# Allegro board BeagleBone-AI.brd (continued)
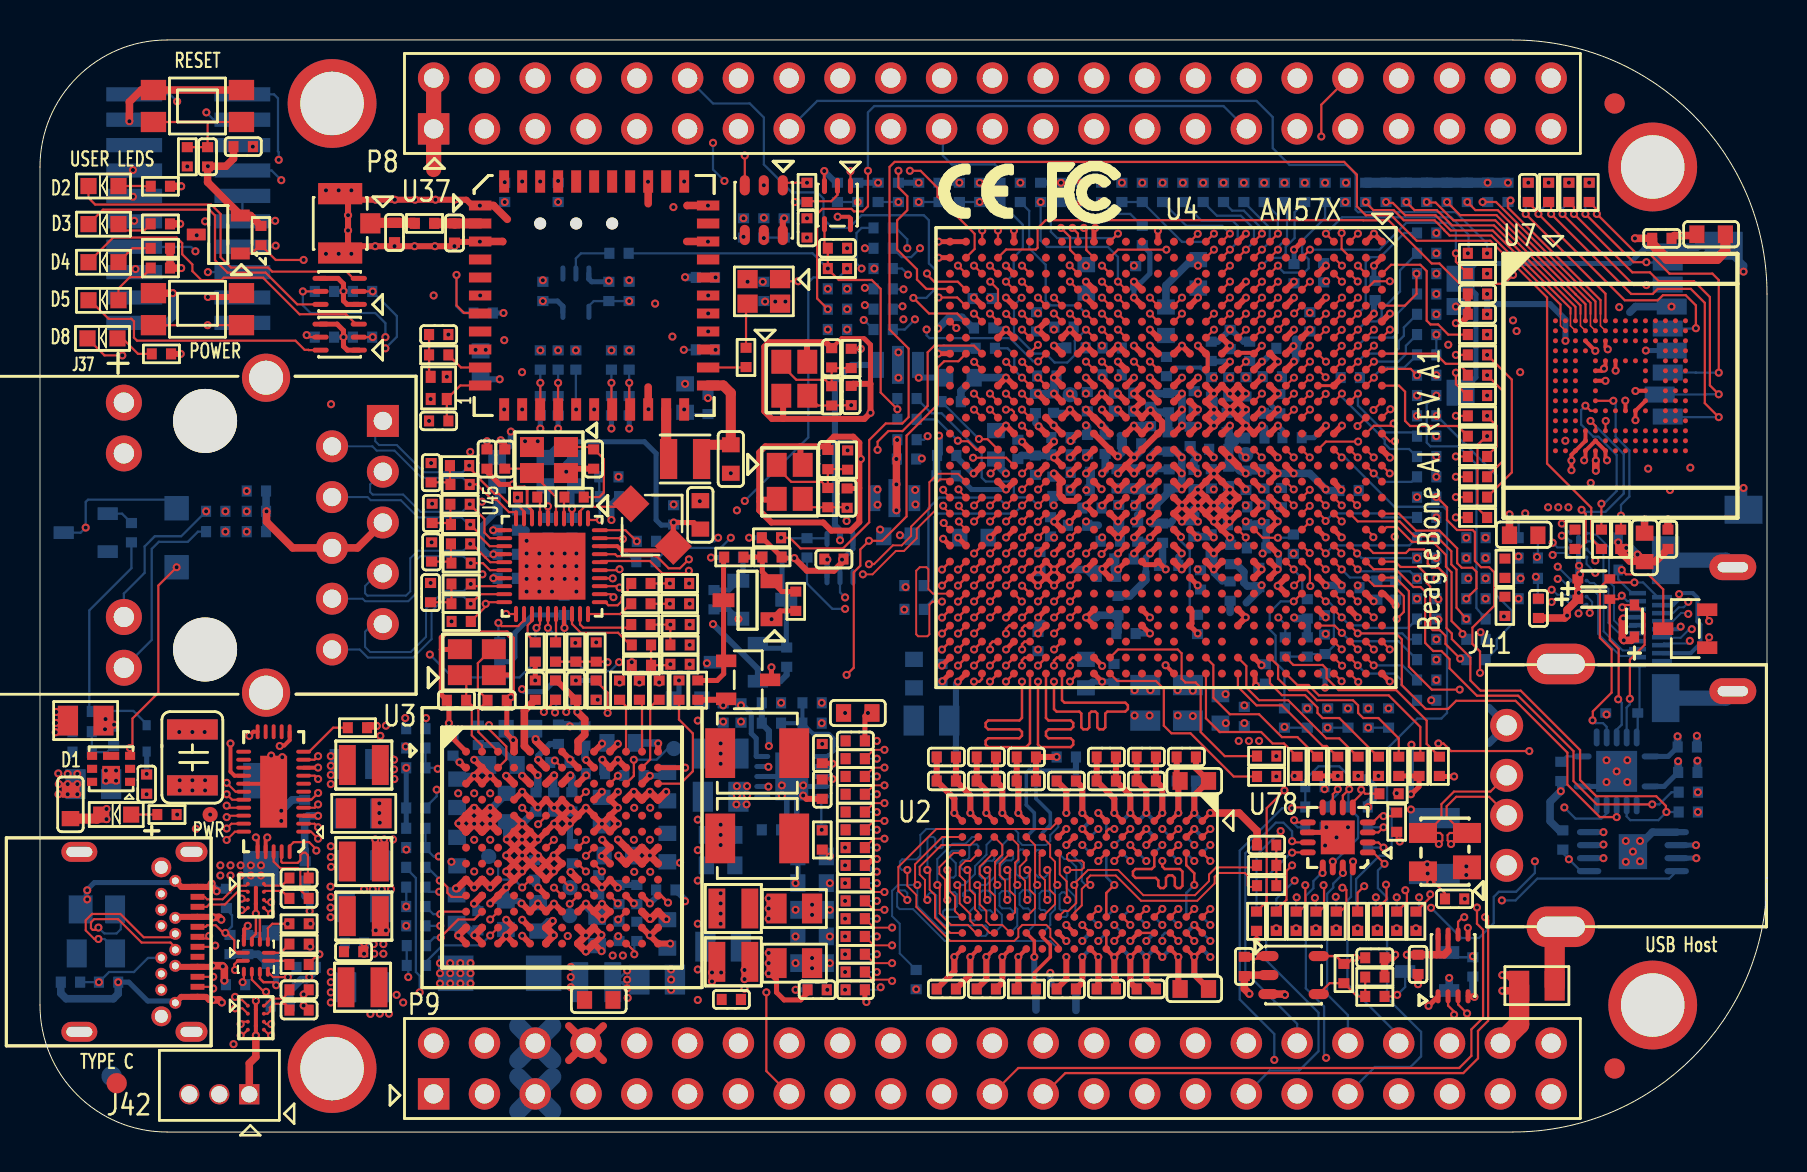
[diagram p0: board, top side]
## Routing (per net, layer and track width the routed paths; a pad name or vN(x,y) marks a point on that pad's centre or on a via; arc(x,y) is an arc through that point) (continued)
  GND_L11 w0.762: 14.61,3.15 14.61,3.12 16.81,0.91 ; 14.61,3.15 12.37,0.91 ; 14.61,3.15 MH4.1 ; 12.07,53.67 14.3,51.43 MH2.1 14.73,51.43 16.92,53.62
  BOTTOM w0.254: J90.12 71.81,37.74 71.81,41.9 J90.13 71.8,43.43 79.48,43.43 80.29,44.25
  BOTTOM w0.381: v1(85.18,43.03) 85.18,43.33 J90.11 82.93,44.32 82.86,44.25 80.29,44.25 ; J90.10 v1(85.18,32.21)
  BOTTOM w0.762: J91.22 84.3,21.7 J91.20 ; J91.21 84.3,28.6 J91.23
  vias: v1(0.79,19.99)
GND_OSC0: length 28.8
  TOP w0.254: C13.2 40.96,32.18 40.97,32.19
  TOP w0.305: U4.AF15 47.1,33.33 46.71,32.93 v1(46.69,32.93) ; 40.97,33.66 40.97,30.51 40.54,30.07 39.57,30.07 39.17,30.48 36.58,30.48 35.97,31.09 35.97,31.55 36.04,31.62 ; 40.97,33.66 40.97,34.47 40.67,34.77 39.7,34.77 39.4,34.47 39.4,34.16 ; 40.97,33.66 v1(41.05,33.66) ; 38.02,34.29 38.02,33.4 38.07,33.36 X7.4 ; 38.02,34.29 39.27,34.29 39.4,34.16 ; 38.02,34.29 36.27,34.29 35.97,33.99 35.97,31.7 36.04,31.62 ; 36.04,31.62 36.8,31.62 X7.2 ; C14.2 39.4,34.16
  INT_L3 w0.254: v1(41.05,33.66) 41.5,33.2 44.27,33.2 44.45,33.38 45.67,33.38 46.12,32.93 v1(46.69,32.93)
  BOTTOM w0.305: v1(46.69,32.93) 46.65,32.93 45.82,33.76 R7.2
GND_OSC1: length 30.3
  TOP w0.203: C16.2 40.09,39.7 41.2,39.7 41.25,39.65
  TOP w0.254: 41.53,37.41 41.53,39.37 41.25,39.65
  TOP w0.305: 37.16,35.66 41.22,35.66 v1(41.53,35.97) 41.53,37.41 40.67,37.41 C15.2 ; 37.16,35.66 36.6,35.66 36.22,36.04 36.22,39.27 36.45,39.5 38.35,39.5 ; 37.16,35.66 37.16,36.73 X8.2 ; C16.2 39.29,39.5 38.35,39.5 ; X8.4 38.35,38.53 38.35,39.5 ; U4.AC14 v1(49.11,34.52)
  SIG_L5 w0.254: v1(41.53,35.97) 42.13,35.37 46.93,35.37 47.78,34.52 v1(49.11,34.52)
  BOTTOM w0.381: v1(49.11,34.52) 49.01,34.62 R10.2
VDD_1V8: length 23.3
  TOP w0.203: U4.M9 58.39,38.22 58.39,38.83 U4.M8
  TOP w0.254: v1(36.58,25.64) 37,26.06 R91.2 ; v1(36.58,23.24) 36.58,22.61 Q4.3
  TOP w0.305: U4.AA18 50.72,30.54 v1(50.72,30.52) 51.1,30.13 U4.AA19 ; U4.R8 v1(55.5,39.33) ; U4.J22 61.09,28.11 v1(61.09,28.13) 61.09,28.14 60.7,28.52 U4.J21 ; U4.P21 v1(57.09,28.13) 57.48,28.52 U4.N21 ; U4.W18 52.7,30.93 v1(52.31,31.33) U4.W17 ; U4.P20 v1(57.09,28.93) ; U4.T8 v1(54.7,39.33) ; U4.H17 v1(61.89,31.33) U4.G18 ; U4.AB13 49.94,35.29 v1(49.94,35.29) ; 53.12,28.14 U4.V21 ; 53.12,28.14 v1(53.12,28.15) ; 53.12,28.14 53.12,28.11 U4.V22 ; U4.Y21 v1(51.51,28.13) ; v1(52.32,28.15) 52.32,28.14 U4.W21 ; U4.Y7 v1(51.5,40.13) U4.AA7 ; U4.P8 v1(57.1,39.33) U4.N8 ; U4.M8 v1(57.9,39.33)
  TOP w0.381: U3.B6 v1(24.91,18.61)
  BOTTOM w0.254: R17.2 34.44,26.14 v1(34.92,25.65)
  BOTTOM w0.305: C146.1 50.53,30.7 v1(50.72,30.52) ; v1(49.94,35.29) 49.78,35.45 C136.1 ; C201.1 56.92,28.76 v1(57.09,28.93) ; v1(24.91,18.61) 24.91,18.81 25.5,19.4 C152.1
  BOTTOM w0.381: v1(51.51,28.13) 52.3,28.13 v1(52.32,28.15) ; C174.1 52.69,27.78 v1(52.32,28.15) ; v1(52.32,28.15) v1(53.12,28.15)
  vias: v1(33.35,23.44) v1(73.2,25.78)
VDD_3V3: length 113.5
  TOP w0.152: U45.3 26.61,30.69 26.61,31.15 26.6,31.15 v1(26.6,31.16) ; U4.E10 U4.D10
  TOP w0.203: U72.20 9.73,17.82 9.53,18.02 v1(9.53,19.43) ; U7.J10 U7.K9 v1(79.78,35.6) ; v1(39.89,45.77) 40.45,45.77 40.53,45.69 U6.5 ; U72.3 13.18,15.81 v1(13.91,15.81) ; v1(11.37,14.73) 11.28,14.73 U72.29 ; U72.12 12.48,19.6 12.22,19.33 12.01,19.33 v1(11.99,19.3) ; U72.9 13.91,18.22 v1(13.91,18.22) ; U7.F5 78.1,38.07 v1(78.21,38.18) 78.28,38.25 U7.E6 ; U72.16 10.67,20.02 v1(10.46,19.81)
  TOP w0.254: 69.85,8.86 69.91,8.93 U46.8 ; R54.1 36.12,29.72 R87.1 37.08,28.7 v1(37.72,28.7) ; 70.41,9.06 U46.7 ; U4.AE7 v1(48.3,40.13) U4.AD7
  TOP w0.305: U4.AD5 v1(48.3,41.73) ; U3.D9 v1(28.1,17.01) ; U4.AB7 v1(49.9,40.13) 49.9,40.13 U4.AB6 ; U4.AF5 v1(46.7,41.73) ; U4.B23 66.69,26.54 v1(66.69,26.54) ; U4.U10 v1(54.7,37.73) ; U4.N4 v1(57.9,42.53) ; U4.T4 v1(54.7,42.53) ; v1(40.11,28.63) 40.11,28.47 39.7,28.07 38.35,28.07 v1(37.72,28.7) ; U4.H15 v1(61.89,32.93) 61.5,32.54 U4.H16 ; 34.27,21.62 Q4.2 ; 34.27,21.62 34.16,21.51 v1(34.16,21.34) ; 34.27,21.62 R85.1 ; U4.R7 v1(55.5,40.13) ; U4.H8 61.5,38.92 v1(61.9,38.53) U4.H9 ; R701.2 v1(7.04,38.91) ; U4.H10 61.5,37.32 v1(61.9,36.93) U4.H11 ; U4.R10 v1(55.5,37.73) ; U4.G5 v1(62.7,41.73) ; U4.G4 v1(62.7,42.53) ; U4.D10 v1(65.1,37.73) ; U4.E3 v1(64.3,43.33) ; U4.H19 61.5,30.14 v1(61.89,30.53) U4.H18 ; U4.N5 v1(57.9,41.73) ; v1(65.07,32.11) 65.05,32.11 U4.D16 ; U10.6 37.15,45.63 v1(37.21,45.69) ; U4.T5 v1(54.7,41.73) ; U4.D22 v1(65.09,27.33) ; U4.G15 v1(62.69,32.93) ; U4.W5 v1(52.3,41.73) ; U4.P10 v1(57.1,37.73) ; U4.E16 v1(64.29,32.13) ; U4.C24 v1(65.89,25.73) ; U4.W4 v1(52.3,42.53) ; U4.E5 v1(64.3,41.73) ; U4.V12 v1(53.1,36.13) ; U4.E22 v1(64.29,27.33) ; U4.B6 v1(66.7,40.93)
  TOP w0.381: U40.3 62.21,6.9 v1(62.26,6.86) ; R591.2 R590.2 v1(7.06,43.21) ; v1(68.35,8.86) C353.2 70.21,8.86 70.41,9.06 ; R592.2 v1(7.01,45.42) ; C278.1 v1(80.24,30.63) ; C300.1 82.79,44.83 v1(82.17,44.83) 81.72,44.83 C325.2 ; R593.2 v1(7.06,47.29) ; U3.J8 26.57,12.95 26.57,12.95 26.53,12.99 v1(26.53,13) ; C286.1 v1(81.41,30.63)
  SIG_L5 w0.635: 21.37,3.59 P9.4 23.08,3.59 ; P9.3 23.08,1.05 ; P9.3 21.37,1.05 ; P9.3 23.08,2.76 ; P9.3 21.37,2.76
  PWR_L6 w0.381: P9.4 23.08,5.3 ; P9.4 23.08,3.59 ; P9.4 21.37,5.3 ; P9.4 21.37,3.59 ; 81.31,43.94 82.17,44.81 v1(82.17,44.83) ; v1(7.04,38.91) 7.04,40.31
  PWR_L6 w1.016: P9.4 P9.3
  BOTTOM w0.127: 29.06,7.49 29.24,7.49 v1(29.36,7.62) ; 29.06,7.49 28.78,7.49 ; 29.06,7.49 v1(29.36,7.19) ; 28.78,7.49 L22.2 ; 28.78,7.49 v1(29.36,8.08) ; R611.2 v1(33.4,36.7) ; FB5.1 v1(64.24,17.14) ; R3.2 35.18,21.34
  BOTTOM w0.254: v1(35.05,21.34) 35.18,21.34 35.57,20.95 35.57,19.93 35.81,19.69 35.81,18.8 35.83,18.78 U1.10 ; U90.5 26.15,41.29 25.88,41.55 v1(25.15,41.55) ; C345.1 26.61,31.15 26.6,31.15 v1(26.6,31.16) 26.6,32.11 C344.1 ; U8.5 40.66,29.17 v1(40.11,28.63) ; R565.1 v1(29.46,35.18) ; R564.1 v1(28.58,35.18) ; R689.1 55.5,43.97 55.5,42.93 54.91,42.34 C186.1 54.7,42.25 v1(54.7,41.73) ; R561.1 v1(25.02,35.18) ; v1(24.1,22.15) 24.23,22.02 25.2,22.02 25.76,22.58 R124.2 ; U12.1 81.22,17.28 C498.1 ; R562.1 v1(25.91,35.18) ; R82.1 v1(37.74,46.51) ; R338.1 v1(23.18,40.96) ; J90.4 v1(80.3,39.08)
  BOTTOM w0.305: C145.1 26.53,13.35 v1(26.53,13) ; v1(66.7,40.93) 66.7,40.93 66.7,41.54 C272.1 ; R455.1 28.58,31.39 v1(28.58,30.61) ; v1(23.55,35.03) 23.55,34.35 22.92,33.73 FB2.1 ; R134.2 v1(51.05,47.47) ; C161.1 52.3,41.97 v1(52.3,42.53) ; v1(48.3,40.13) 48.3,40.13 47.75,40.13 C125.1 ; R693.1 v1(45.97,47.47) ; R692.1 v1(41.91,47.47)
  BOTTOM w0.381: R704.1 v1(76.05,17.04) 75.51,16.51 75.51,15.54 75.97,15.09 R516.2 ; v1(64.29,27.33) 64.9,27.33 C270.1 ; v1(13.91,15.81) 13.4,15.81 C440.1 13.23,14.14 13.26,14.11 C439.1 ; R169.2 R192.1 62.76,25.68 v1(62.71,25.73) ; v1(61.89,32.93) v1(62.69,32.93) 63.49,32.93 v1(64.29,32.13) 64.35,32.08 C269.1 ; R541.2 12.5,7.06 13.06,7.62 13.34,7.62 v1(13.46,7.75) 13.79,8.08 R545.2 ; C498.1 v1(81.92,18.54)
  vias: v1(6.86,15.88) v1(10.64,49.28) v1(13.53,10.41) v1(18.29,19.28) v1(20.58,25.53) v1(21.78,39.12) v1(22.29,39.12) v1(23.24,46.51) v1(26.8,39.09) v1(26.77,24.46) v1(29.39,6.71) v1(32.46,27.43) v1(32.49,24.36) v1(32.49,23.39) v1(36.26,41.53) v1(36.77,41.53) v1(37.27,41.53) v1(38.35,44.73) v1(54.1,47.47) v1(56.13,47.47) v1(64.26,47.47) v1(69.82,28.7) v1(69.82,27.69) v1(69.82,24.64) v1(69.82,22.61) v1(69.93,25.63) v1(72.29,29.72) v1(82.91,16.99) v1(82.91,16)
VDD_5V: length 61.6
  TOP w0.203: v1(10.39,10.31) 10.21,10.13 10.21,9.83 10.2,9.81 U22.12
  TOP w0.305: v1(21.71,12.23) 21.32,12.62 U3.J1 ; v1(23.31,9.83) U3.M4 v1(23.31,10.61) ; v1(28.08,9.05) U3.N9 28.08,9.79 v1(28.08,9.85) U3.M9 ; U3.A10 v1(28.9,19.41) ; U3.N3 22.92,9.42 v1(23.31,9.81) U3.N4 ; U3.A9 v1(28.11,19.42)
  TOP w0.381: v1(30.5,13.83) 30.89,14.22 U3.G13 ; v1(30.5,13.83) U3.H13 ; v1(30.5,13.83) 30.11,13.43 U3.H12 29.7,13.83 ; v1(30.5,13.83) U3.G12 30.09,14.22 29.7,13.83 ; v1(27.3,9.83) 26.91,9.44 U3.N8 v1(27.3,9.03) 27.69,9.42 U3.N9 ; v1(27.3,9.83) U3.M8 ; v1(27.3,9.83) 27.69,10.22 U3.M9 ; v1(21.71,12.23) U3.J2 22.12,12.62 v1(22.51,12.23) U3.J3 ; U3.E1 21.31,15.81 v1(20.93,15.43) 21.31,15.06 U3.F1 21.7,15.41 v1(21.71,15.41) ; U3.E1 21.7,16.21 v1(21.71,16.21) U3.E2 ; U3.E1 v1(21.71,15.41) ; v1(24.79,19.65) 24.79,19.57 25.31,19.05 U3.A6 ; U3.E2 22.5,16.21 v1(22.51,16.21) U3.E3 22.51,15.43 v1(22.51,15.41) ; U3.E2 v1(22.51,15.41) ; U3.E2 21.71,15.43 v1(21.71,15.41) ; U3.L12 30.47,10.66 v1(30.51,10.66) 30.54,10.66 U3.L13 31.29,10.64 v1(31.33,10.64) ; v1(22.51,15.41) U3.F3 ; v1(22.51,15.41) 22.12,15.02 U3.F2 v1(21.71,15.41) ; 26.45,3.59 P9.8 ; P9.8 26.45,5.3 ; P9.8 28.16,5.3 ; P9.8 28.16,3.59 ; C489.1 60.7,8.76 v1(60.73,8.8) U40.1 ; v1(28.92,13.82) 28.92,13.8 U3.H11 29.31,13.43 29.7,13.83 ; 29.7,13.83 U3.G11 v1(28.9,14.62) ; U3.C5 v1(24.11,17.81) ; U3.C7 26.48,17.8 26.48,17.8 v1(26.52,17.84) ; U3.N6 25.31,9.45 v1(25.69,9.84) 25.31,10.22 U3.M6 v1(25.64,10.56) ; U3.D11 v1(29.7,17.01) 30.09,16.62 U3.D12 v1(30.5,17.01) 30.89,16.62 U3.D13 30.92,16.62 v1(31.31,17.01) ; v1(20.8,12.18) 20.87,12.18 U3.J1 ; U3.C4 v1(23.31,17.81)
  SIG_L5 w1.016: P9.7 P9.8
  PWR_L7 w0.635: 26.45,2.76 P9.7 28.16,2.76 ; 26.45,5.3 P9.8 ; P9.8 28.16,3.59 ; P9.8 26.45,3.59 ; P9.8 28.16,5.3
  BOTTOM w0.127: C441.1 v1(10.39,10.31)
  BOTTOM w0.254: U48.3 v1(82.82,13.7) ; U48.2 v1(82.81,14.35) ; U12.14 81.42,18.78 C497.1
  BOTTOM w0.305: C442.1 11.43,9.86 C441.1 ; v1(25.64,10.56) 25.42,10.56 C156.1 25.12,9.84 v1(25.69,9.84) ; R130.1 22.23,19.35 22.87,19.35 C172.2
  BOTTOM w0.381: v1(22.51,16.21) 22.61,16.21 C169.1 ; C497.1 v1(81.89,19.79) ; v1(26.52,17.84) 26.59,17.76 C139.1
  vias: v1(9.02,13.34) v1(9.02,12.83) v1(9.53,13.34) v1(9.53,12.83) v1(10.03,13.34) v1(10.03,12.83) v1(10.54,13.34) v1(10.54,12.83) v1(11.05,13.34) v1(11.05,12.83) v1(20,8.45) v1(20,7.94) v1(20,7.43) v1(20.51,8.45) v1(20.51,7.94) v1(20.51,7.43) v1(21.02,8.45) v1(21.02,7.94) v1(21.02,7.43) v1(21.53,8.45) v1(21.53,7.94) v1(21.53,7.43) v1(28.98,22.48)
VDD_ADC: length 12.8
  TOP w0.127: C490.1 v1(65.79,8.71) 65.66,8.71 65.35,8.41 R656.2 64.81,8.8 U40.5
  SIG_L5 w0.127: v1(65.79,8.71) 64.34,7.26 64.34,6.63 63.04,5.33 58.62,5.33 57.78,4.5 P9.32
VDD_ADC_SEL: length 81.5
  TOP w0.203: U4.AD3 v1(48.3,43.33)
  SIG_L5 w0.127: v1(48.3,43.33) 49.43,44.45 54.1,44.45 54.47,44.82 54.47,48.37 55.5,49.4 76.15,49.4 78.36,47.19 78.36,45.64 77.72,45.01 75.79,45.01 75.03,44.25 75.03,30.73 75.26,30.51 75.26,27.5 74.95,27.19 74.95,25.32 73.33,23.7 73.33,22.71 75.18,20.85 75.18,12.75 71.65,9.22 v1(71.65,8.79)
  BOTTOM w0.127: Q17.1 70.71,8.74 R659.2 v1(71.65,8.79)
VDD_CAPE_5V: length 87.5
  TOP w0.114: Q19.1 83.37,24.65 83.42,24.7
  TOP w0.152: 83.42,24.7 v1(83.46,24.74)
  SIG_L10 w0.152: P9.6 26.06,3.15 75.9,3.15 76.79,4.05 76.79,7.32 81.86,12.4 81.86,16.89 80.9,17.86 80.9,21.87 83.46,24.43 v1(83.46,24.74)
  BOTTOM w0.889: 23.91,1.05 P9.5 ; P9.5 23.91,2.76 ; P9.5 25.62,2.76 ; P9.5 25.62,1.05 ; 23.91,5.3 P9.6 ; P9.6 25.62,3.59 ; P9.6 23.91,3.59 ; P9.6 25.62,5.3
VDD_CORE: length 23.3
  TOP w0.305: U4.P13 v1(57.1,35.33) ; U4.P11 v1(57.1,36.93) ; U4.U16 v1(53.91,32.13) 53.51,32.53 U4.V16 ; U4.H14 v1(61.89,33.73) ; U4.T16 v1(54.71,32.13) ; U4.R11 v1(55.5,36.93) ; U4.N13 v1(57.9,35.33) ; U4.R16 v1(55.51,32.13) ; U4.R19 v1(55.51,29.73) ; v1(55.5,35.32) U4.T13 v1(54.7,35.33) U4.U13 ; U4.J17 v1(61.09,31.33) 60.7,30.94 U4.J18 ; U4.H13 v1(61.9,35.33) ; U4.T19 v1(54.71,29.73) ; U4.L8 v1(59.5,39.33) 59.1,39.72 U4.L7 ; U4.U9 v1(53.9,38.53) ; U4.AB15 v1(49.91,32.93) ; U3.B1 21.25,18.22 v1(20.98,18.49) ; U4.V8 v1(53.9,39.33) U4.U8 ; U4.N10 v1(57.9,37.73) ; U4.P12 v1(57.1,36.13)
  BOTTOM w0.127: v1(49.91,32.93) 49.85,32.87 C138.1 49.73,32.87
  BOTTOM w0.254: C242.1 62.13,35.1 v1(61.9,35.33)
  BOTTOM w0.305: C200.1 57.07,36.96 v1(57.1,36.93) ; C187.1 55.3,29.52 v1(55.51,29.73) ; C258.1 v1(20.98,18.49) ; v1(57.9,35.33) 57.85,35.27 C203.1 57.46,35.33 v1(57.1,35.33)
  BOTTOM w0.381: v1(57.1,36.93) v1(57.1,36.13) v1(57.1,35.33) ; v1(55.5,36.93) 56.4,36.93 C200.1 ; C190.1 55.51,35.33 v1(54.7,35.33)
  BOTTOM w0.508: C193.1 55.55,32.13 v1(55.51,32.13) v1(54.71,32.13) ; C178.1 54.72,32.18 C185.1
  vias: v1(14.54,18.8) v1(14.54,18.31) v1(14.54,17.86) v1(14.54,17.4)
VDD_DDR: length 115.5
  TOP w0.127: v1(53.72,12.35) 53.32,11.95 U2.G7
  TOP w0.152: U3.K13 31.05,11.82 v1(31.4,11.47)
  TOP w0.203: U2.A8 v1(57.72,10.35) ; U2.R1 v1(46.52,15.95) ; U2.E9 v1(54.52,8.75) ; U4.AB22 v1(49.9,27.32) U4.AC22 v1(49.91,28.13) ; U4.AB22 50.3,27.73 v1(49.91,28.13) ; U4.AB22 50.7,27.33 v1(50.71,27.33) U4.AA22 51.1,27.73 v1(50.71,28.13) ; U4.AB22 v1(50.71,28.13) ; v1(50.71,28.13) U4.AA21 ; v1(50.71,28.13) 50.31,28.52 U4.AB21 v1(49.91,28.13) ; U2.C9 v1(56.92,8.75) ; U2.D9 v1(56.12,8.75) ; U2.C1 v1(56.92,15.95) ; U2.K2 v1(51.32,15.15) ; U2.B2 v1(57.72,15.15) ; U2.N1 v1(48.12,15.95) ; U2.D2 v1(55.32,14.35) ; U2.R9 v1(46.52,8.75) ; U2.F1 v1(53.72,15.95) ; U2.H9 v1(52.92,8.75) ; U2.H2 v1(52.12,15.15) ; U2.K8 v1(51.32,9.55) ; U2.N9 v1(48.12,8.75) ; U2.A1 v1(58.52,15.95)
  TOP w0.254: U4.W16 v1(53.09,32.14) ; U4.AB24 v1(49.91,25.73) ; C5.1 39.62,18.44 v1(39.62,18.41) ; v1(53.11,23.31) 53.11,23.32 U4.W27 ; U4.AD26 v1(48.31,24.13) ; v1(36.44,7.94) 36.58,7.94 36.58,7.86 36.83,7.61 36.83,6.98 37.21,6.6 38.04,6.6 38.38,6.95 C60.2 ; R672.1 70,17.78 v1(70.71,17.78) ; v1(55.5,25.73) 55.5,25.73 U4.T24 ; U4.T25 55.5,24.93 v1(55.5,24.93) ; R675.1 v1(64.9,17.81) ; v1(41.85,13.65) 41.66,13.65 41.34,13.34 C61.2 ; U4.J27 v1(61.08,23.34) ; U4.AH27 v1(45.1,23.32) ; C225.2 41.25,20.8 v1(41.4,20.96) ; U4.AB25 v1(49.91,24.93) ; U4.AG28 v1(45.9,22.52) ; U4.AG20 v1(45.91,29.72)
  TOP w0.305: v1(56.92,15.95) 56.92,17.47 C89.1 56.84,17.73 C231.1 ; v1(46.52,8.75) 46.52,7.87 C9.1 ; v1(48.12,15.95) 48.12,17.24 C19.1 C17.1 ; v1(56.92,8.75) 56.92,7.24 C39.1 ; v1(55.32,15.95) 55.32,17.07 C25.1 C11.1 ; U4.H22 61.5,27.74 v1(61.89,28.13) U4.H21 ; U4.G23 61.92,27.31 v1(61.89,27.31) U4.G22 ; v1(53.72,15.95) 53.72,16.67 C24.1 C10.1 ; U4.L21 58.71,28.13 v1(58.69,28.13) U4.M21 ; v1(54.52,8.75) 54.52,7.47 C36.1 ; v1(46.52,15.95) 46.52,16.84 C22.1 C18.1 ; v1(50.84,18.76) 50.84,18.75 C213.1 C23.1 ; v1(52.92,8.75) 52.92,7.24 C40.1 ; C230.1 48.12,7.47 v1(48.12,8.75) ; U4.L20 59.08,29.33 v1(58.69,28.93) U4.M20 ; U4.H20 v1(61.91,28.92) ; U4.E24 v1(64.29,25.73)
  TOP w0.381: v1(58.52,15.95) 58.52,15.95 59.97,15.95 60.86,15.06 C49.2
  SIG_L10 w0.152: v1(31.4,11.47) 31.41,11.47 31.94,12 33.15,12 33.46,12.32 35.8,12.32 v1(36.44,11.68)
  BOTTOM w0.127: U11.G7 53.32,12.75 v1(53.72,12.35)
  BOTTOM w0.203: v1(39.62,18.41) 39.49,18.28 U1.2 ; U2.N1 v1(48.12,15.95) ; U11.A8 v1(57.72,15.15) ; U11.E9 v1(55.32,15.95) U11.D9 ; U2.C9 v1(56.12,8.75) ; U11.H2 v1(52.12,9.55) ; U2.K2 v1(51.32,15.15) ; U2.R9 v1(46.52,8.75) ; U2.K8 v1(51.32,9.55) ; U2.N9 v1(48.12,8.75) ; U11.A1 v1(58.52,8.75) ; U11.D2 v1(55.32,9.55) ; U2.R1 v1(46.52,15.95) ; U11.F1 v1(54.52,8.75) ; U2.C1 v1(56.92,15.95) ; U11.B2 v1(57.72,10.35) ; U11.H9 v1(52.12,15.15)
  BOTTOM w0.305: v1(46.52,15.95) 46.52,16.84 C22.1 C18.1 45.8,20.57 ; 45.8,20.57 45.8,22.43 v1(45.9,22.52) ; 45.8,20.57 C26.1 ; C36.1 54.52,7.47 v1(54.52,8.75) ; C19.1 48.12,17.24 v1(48.12,15.95) ; v1(36.45,19.3) 36.45,20.07 36.09,20.42 R2.2 C462.1 ; v1(50.52,7.95) 50.52,7.47 C143.1 ; C9.1 46.52,7.87 v1(46.52,8.75) ; C25.1 55.32,17.07 v1(55.32,15.95) ; C24.1 53.72,16.67 v1(53.72,15.95) ; C119.1 55.5,24.92 v1(55.5,24.93) ; v1(52.92,8.75) 52.92,7.24 C40.1 ; v1(61.91,28.92) 61.95,28.88 61.95,28.19 v1(61.89,28.13) ; v1(48.12,8.75) 48.12,7.47 C230.1 ; C39.1 56.92,7.24 v1(56.92,8.75) ; C100.1 56.92,17.47 v1(56.92,15.95) ; v1(58.69,28.13) 58.69,27.95 59.11,27.53 C224.1 ; C99.1 v1(50.84,18.76)
  BOTTOM w0.381: C211.1 58.69,28.8 v1(58.69,28.13) ; 50.13,25.43 C131.1 49.9,25.44
  vias: v1(36.44,11.18) v1(36.44,10.67) v1(36.44,8.95) v1(36.44,8.45) v1(61.82,17.78) v1(66.93,17.81)
VDD_DIMM: length 6.3
  BOTTOM w0.305: 72.36,41.4 75.5,41.4 76.28,40.62 v1(76.28,39.57) ; 72.36,41.4 v1(72.36,40.89) ; 72.36,41.4 v1(72.36,41.91)
VDD_DSPEVE: length 25.5
  TOP w0.305: v1(58.7,36.93) 58.3,37.32 U4.M10 ; v1(58.7,36.93) U4.L10 59.1,37.32 v1(59.5,36.93) ; v1(58.7,36.93) U4.M11 58.7,36.13 v1(58.7,36.13) ; v1(59.5,36.93) U4.K10 59.9,37.32 v1(60.3,36.93) U4.K11 ; v1(59.5,36.93) U4.K11 ; v1(59.5,36.13) U4.K11 ; v1(59.5,36.13) U4.L12 ; v1(59.5,36.13) 59.1,36.52 U4.L11 ; v1(59.5,36.13) U4.K12 ; U4.K11 59.9,36.52 v1(60.3,36.13) U4.K12 ; U4.K13 v1(60.3,35.33) ; v1(60.3,35.33) 60.3,35.33 U4.K12 ; v1(60.3,35.33) U4.J13 v1(61.1,35.33) ; U4.L12 v1(58.7,36.13) ; U4.L12 v1(58.7,35.33) ; v1(58.7,36.13) U4.M12 58.3,35.72 v1(58.7,35.33) ; U4.M13 v1(58.7,35.33)
  TOP w0.381: U3.K2 v1(21.7,11.42)
  SIG_L10 w0.152: v1(21.7,11.42) 19.76,11.42 19.24,11.94 18.01,11.94 17.36,11.29 15.81,11.29 15,10.48 14.79,10.48 v1(14.53,10.74)
  BOTTOM w0.305: C256.1 21.89,11.23 v1(21.7,11.42)
  BOTTOM w0.381: v1(61.1,35.33) 61.23,35.2 C234.1 ; C215.1 58.7,36.65 v1(58.7,36.13) v1(58.7,35.33) ; C233.1 60.3,35.87 v1(60.3,35.33)
  vias: v1(14.54,14.29) v1(14.54,13.75) v1(14.55,13.26) v1(14.53,12.27) v1(14.54,11.75) v1(14.53,11.23)
VDD_EMMC: length 12.2
  TOP w0.203: v1(77.8,33.58) 77.78,33.6 U7.P5 ; U4.K8 59.94,38.96 60.67,38.96 U4.J8 v1(61.1,39.32) ; U7.C6 78.28,39.26 v1(78.4,39.14) ; U7.M4 U7.N4 U7.P3 76.58,33.87 v1(76.58,33.58) v1(76.58,33.1)
  TOP w0.381: v1(77.8,33.58) v1(77.8,33.07)
  BOTTOM w0.508: R179.1 R178.1 R186.1 R177.1 R185.1 R176.1 v1(72.39,47.47) v1(73.41,47.47)
  vias: v1(63.5,40.97) v1(75.41,31.24) v1(75.92,31.24) v1(76.43,31.24)
VDD_GPU: length 20.8
  TOP w0.305: v1(24.91,12.22) 25.31,11.83 U3.K6 ; U4.W10 v1(52.3,37.73) ; U4.V11 v1(53.1,36.93) U4.W11 ; U4.U11 v1(53.9,36.93) ; U4.U12 v1(53.9,36.13) ; U4.W13 U4.V14 53.82,33.81 53.87,33.81 v1(53.9,33.78) ; U4.V10 v1(53.1,37.73)
  SIG_L8 w0.127: v1(24.91,12.22) 24.49,11.8 24.49,9.37 24.03,8.92 18.92,8.92 18.01,8 v1(14.54,8)
  BOTTOM w0.305: C238.1 24.74,12.39 v1(24.91,12.22)
  BOTTOM w0.381: 54.03,34.82 54.1,34.75 C171.1 54.1,33.99 v1(53.9,33.78)
  vias: v1(14.54,7.49) v1(14.54,6.98) v1(14.54,6.48)
VDD_IVA: length 11.1
  TOP w0.152: U3.L11 v1(28.91,10.63)
  TOP w0.305: U4.V18 53.51,30.93 v1(53.91,30.53) U4.U18 ; U4.U19 v1(53.91,29.73) 53.51,30.13 U4.V19
  SIG_L10 w0.152: v1(28.91,10.63) 29.31,10.23 32.32,10.23 32.87,9.68 33.86,9.68 35.23,8.31 v1(35.23,8.1)
  BOTTOM w0.381: v1(53.91,30.53) v1(53.91,29.73)
  vias: v1(35.23,7.65) v1(35.23,7.16)
VDD_MPU: length 28.1
  TOP w0.254: U3.B13 v1(32.26,18.22)
  TOP w0.305: v1(58.7,30.52) U4.L19 ; v1(58.7,30.53) U4.L18 ; v1(58.7,30.53) U4.M18 ; U4.L19 59.1,30.15 59.44,30.48 59.46,30.48 ; U4.L19 v1(59.5,29.73) ; U4.N18 v1(57.1,30.53) U4.P18 57.1,31.33 57.1,31.33 U4.N18 ; U4.N18 57.5,30.93 v1(57.9,31.32) ; U4.N18 v1(57.9,30.53) ; v1(58.7,31.33) U4.L17 ; v1(58.7,31.33) U4.M18 ; v1(58.7,31.33) U4.M17 ; v1(58.7,31.33) U4.L18 ; U4.L17 v1(59.5,32.13) ; U4.L17 v1(59.5,31.33) ; U4.L18 59.46,30.57 59.46,30.48 ; U4.L18 59.1,30.93 v1(59.5,31.32) ; v1(59.5,31.33) U4.K17 v1(59.5,32.12) ; U4.M17 57.9,31.33 v1(57.9,31.33) ; U4.M17 v1(57.9,32.13) ; U4.K18 59.46,30.48 ; U4.P17 57.09,31.33 v1(57.11,31.33) U4.N17 ; U4.M18 v1(57.9,31.32) ; U4.N17 v1(57.9,31.33) ; U4.N17 v1(57.9,32.13) ; v1(58.7,32.93) U4.M16 v1(57.9,32.13) ; v1(58.7,32.93) U4.M15 ; v1(58.7,32.93) U4.L16 v1(59.5,32.13) ; v1(58.7,32.93) U4.L15 ; U4.R18 v1(55.5,30.53)
  SIG_L10 w0.254: v1(34.85,17.3) 33.18,17.3 v1(32.26,18.22)
  BOTTOM w0.381: 58.88,31.19 58.95,31.26 C221.1 ; C206.1 57.7,31.1 57.66,31.14 ; v1(57.9,30.53) v1(57.1,30.53) ; C112.1 59.54,29.69 v1(59.5,29.73) ; 56.62,30.56 56.49,30.43 C197.1 55.6,30.43 v1(55.5,30.53)
  vias: v1(34.85,16.84) v1(34.82,16.38) v1(35.33,16.38) v1(35.36,17.3) v1(35.36,16.84) v1(54.74,20.83) v1(55.49,20.83) v1(56.9,20.83) v1(57.65,20.8) v1(59.3,20.45) v1(59.49,30.53) v1(60.22,20.45)
VDD_RTC: length 2.9
  TOP w0.381: C43.1 24.22,21.07 24.22,19.3 U3.A5
VDD_TYPE C: length 114.9
  TOP w0.114: Q19.2 83.37,25.65 v1(83.46,25.55)
  SIG_L10 w0.152: v1(6.99,17.08) 4.83,14.92 4.83,4.57 6.53,2.87 11.1,2.87 13.34,5.11 16.28,5.11 18.59,2.79 76.1,2.79 77.22,3.91 77.22,7.19 82.27,12.24 82.27,17.02 81.23,18.06 81.23,21.69 83.9,24.36 83.9,25.1 83.46,25.53 v1(83.46,25.55)
  vias: v1(3.3,18.08) v1(3.3,17.57) v1(3.8,18.08) v1(3.8,17.57) v1(5.33,16.89) v1(6.99,17.59) v1(7.62,17.59) v1(7.62,17.08) v1(8.26,17.59) v1(8.26,17.08)
A3_GPIO4_27: length 7.4
  TOP w0.114: R682.1 70.42,39.88 69.91,40.39 69.53,40.39 69.34,40.58 69.34,43.05 69.02,43.37 67.56,43.37 67.12,42.93 U4.A3
A5_VOUT1_D12: length 3
  TOP w0.114: v1(68.83,42.93) 68.83,41.91 68.25,41.33 U4.A5
A7_GPIO8_18: length 34.6
  TOP w0.114: U4.A7 v1(67.5,40.13)
  SIG_L8 w0.102: P8.17 40,50.1 41.08,49.02 43.69,49.02 44.2,48.51 46.86,48.51 47.43,47.94 47.43,47.54 48.87,46.1 53.72,46.1 54,45.82 61.05,45.82 61.46,45.41 61.46,43.98 61.76,43.68 62.11,43.68 62.29,43.5 62.29,42.42 62.61,42.1 62.86,42.1 63.12,41.85 63.12,40.72 63.33,40.51 67.12,40.51 v1(67.5,40.13)
A8_GPIO8_19: length 4.8
  TOP w0.114: R667.1 71.4,37.95 70.93,38.42 70.29,38.42 69.79,38.92 U4.A8
A9_GPIO8_21: length 1.9
  TOP w0.114: U4.A9 67.33,38.12 67.37,38.16 68.54,38.16 v1(68.86,37.85)
A10_GPIO8_23: length 6.2
  TOP w0.114: R665.1 70.89,35.31 68.52,35.31 68.26,35.56 68.26,37.02 67.96,37.32 U4.A10
A11_SPI3_D1: length 28.2
  TOP w0.114: U4.A11 v1(66.68,36.1) ; v1(66.22,12.29) 65.89,11.96 R643.1
  SIG_L10 w0.102: v1(66.22,12.29) 66.22,12.32 66.32,12.42 66.32,15.57 66.81,16.07 66.81,16.93 66.52,17.22 66.52,18.61 68.45,20.54 68.45,30.07 67.67,30.86 67.67,31.78 67.06,32.38 67.06,33.15 66.88,33.32 66.52,33.32 66.29,33.55 66.29,34.11 66.68,34.5 v1(66.68,36.1)
A12_SPI3_CS0: length 57.1
  TOP w0.114: U4.A12 v1(67.52,36.15)
  SIG_L5 w0.102: v1(67.52,36.15) 69.25,34.42 71.22,34.42 71.93,33.71 71.93,30.81 72.82,29.92 72.82,28.12 73.2,27.74 73.2,26.31 73.58,25.93 73.58,25.32 72.39,24.13 72.39,22.73 71.93,22.28 71.93,12.17 72.69,11.4 72.69,10.62 71.58,9.5 70.05,9.5 68.94,10.62 65.67,10.62 65.51,10.45 65.51,9.06 63.88,7.43 63.88,6.58 62.89,5.59 57.09,5.59 56.52,5.02 56.52,3.94 55.94,3.37 53.78,3.37 P9.28
A13_TIMER10: length 50.4
  TOP w0.114: v1(67.75,34.54) 67.5,34.54 67.12,34.92 U4.A13
  SIG_L8 w0.102: P8.10 31.05,51.5 31.05,49.53 31.62,48.96 33.02,48.96 33.91,48.07 37.21,48.07 38.19,47.09 45.3,47.09 46.86,45.53 49.78,45.53 50.86,44.45 55.14,44.45 55.84,43.74 56.48,43.74 56.71,43.97 58.15,43.97 59.23,42.88 59.65,42.88 59.89,42.64 59.89,39.99 60.71,39.18 60.71,38.35 60.9,38.16 61.21,38.16 61.47,37.91 61.47,37.59 61.72,37.34 62.04,37.34 62.29,37.08 62.29,36.77 62.55,36.51 62.86,36.51 63.12,36.26 63.12,35.94 63.37,35.69 63.69,35.69 63.88,35.5 63.88,35.12 64.07,34.92 66.23,34.92 66.61,34.54 v1(67.75,34.54)
A21_UART8_TXD: length 7.9
  TOP w0.114: v1(71.02,23.67) 70.28,24.41 70.28,24.82 70,25.1 69.65,25.1 69.52,25.22 69.52,27.28 69.34,27.46 69.34,27.86 68.95,28.26 68.03,28.26 67.77,28.53 U4.A21
  BOTTOM w0.114: R627.1 71.07,23.62 v1(71.02,23.67)
A22_SPI2_CS1: length 52.8
  TOP w0.114: U4.A22 67.78,27.73 68.45,27.05 68.45,23.27 69.6,22.12 v1(70.99,22.12) ; v1(71.86,11.23) 71.86,10.41 72.16,10.11 72.16,5.71 71.58,5.13 71.58,3.81 70.97,3.2 48.92,3.2 P9.23
  SIG_L5 w0.102: v1(70.99,22.12) 71.42,21.69 71.42,14.02 70.87,13.46 70.87,12.45 71.09,12.22 71.22,12.22 71.91,11.53 71.91,11.28 v1(71.86,11.23)
A26_UART3_RXD: length 5.1
  TOP w0.114: U4.A26 v1(67.49,24.13)
  INT_L3 w0.102: v1(67.49,24.13) 67.49,23.3 67.12,22.92 65.79,22.92 65.47,22.61 65.47,21.25 v1(65.41,21.18)
AB5_MMC3_DATA7: length 34.8
  TOP w0.114: U4.AB5 v1(49.9,41.73)
  SIG_L8 w0.102: v1(49.9,41.73) 49.66,41.73 49.28,41.34 46.39,41.34 45.21,42.52 42.11,42.52 42.01,42.62 40.18,42.62 39.83,42.27 39.83,41.96 39.65,41.78 38.05,41.78 36.32,43.51 35.84,43.51 33.96,45.39 31.45,45.39 29.39,47.45 27.99,47.45 25.93,49.5 25.93,50.93 25.37,51.49 23.44,51.49 P8.4
AB8_MMC3_DATA6: length 34.5
  TOP w0.114: U4.AB8 49.92,38.54 49.92,38.53 v1(49.91,38.53)
  SIG_L8 w0.102: P8.3 23.85,48.54 25.95,48.54 27.8,46.69 29.06,46.69 31.8,43.94 34.24,43.94 35,43.18 35,41.39 35.6,40.79 40.69,40.79 40.89,41 41.96,41 42.7,40.26 44.04,40.26 44.17,40.13 v1(44.34,40.13)
  BOTTOM w0.114: v1(44.34,40.13) 44.34,39.84 44.48,39.7 48.5,39.7 49.66,38.54 49.91,38.54 49.9,38.54 49.92,38.54 49.92,38.53 v1(49.91,38.53)
AC3_MMC3_DATA3: length 32.6
  TOP w0.114: U4.AC3 v1(49.1,43.33)
  SIG_L8 w0.102: v1(49.1,43.33) 48.7,42.93 46.53,42.93 46.3,43.15 46.3,43.89 45.11,45.08 40.54,45.08 39.5,44.04 37.54,44.04 36.44,45.15 36.09,45.15 35.74,45.5 35.74,45.9 35.53,46.1 34.11,46.1 33.99,45.97 32.96,45.97 32.77,46.16 32.77,47.69 32.51,47.94 27.94,47.94 26.19,49.7 26.19,51.35 24.83,52.7 P8.6
AC4_MMC3_CMD: length 15.4
  TOP w0.114: U4.AC4 v1(49.1,42.53)
  INT_L3 w0.102: P8.20 43.81,51.43 43.81,49.59 44.58,48.83 45.73,48.83 46.66,47.9 48.23,47.9 48.59,47.55 48.59,47.24 49.17,46.66 49.17,43.99 48.75,43.56 48.75,42.88 v1(49.1,42.53)
AC6_MMC3_DATA1: length 15.7
  TOP w0.114: U4.AC6 v1(49.1,40.93)
  INT_L3 w0.102: v1(49.1,40.93) 49.1,41.1 49.53,41.53 49.53,41.91 49.78,42.16 49.78,46.23 49.66,46.35 49.66,48.13 49.09,48.7 47.05,48.7 46.42,49.34 46.42,51.5 P8.24
AC7_MMC3_DATA0: length 11.4
  TOP w0.114: U4.AC7 v1(49.1,40.13)
  INT_L3 w0.102: P8.25 50.42,49.91 50.42,46.35 50.29,46.23 50.29,41.54 50.05,41.29 49.75,41.29 49.53,41.07 49.53,40.55 v1(49.1,40.13)
